# KiCad board kayboard.kicad_pcb (continued)
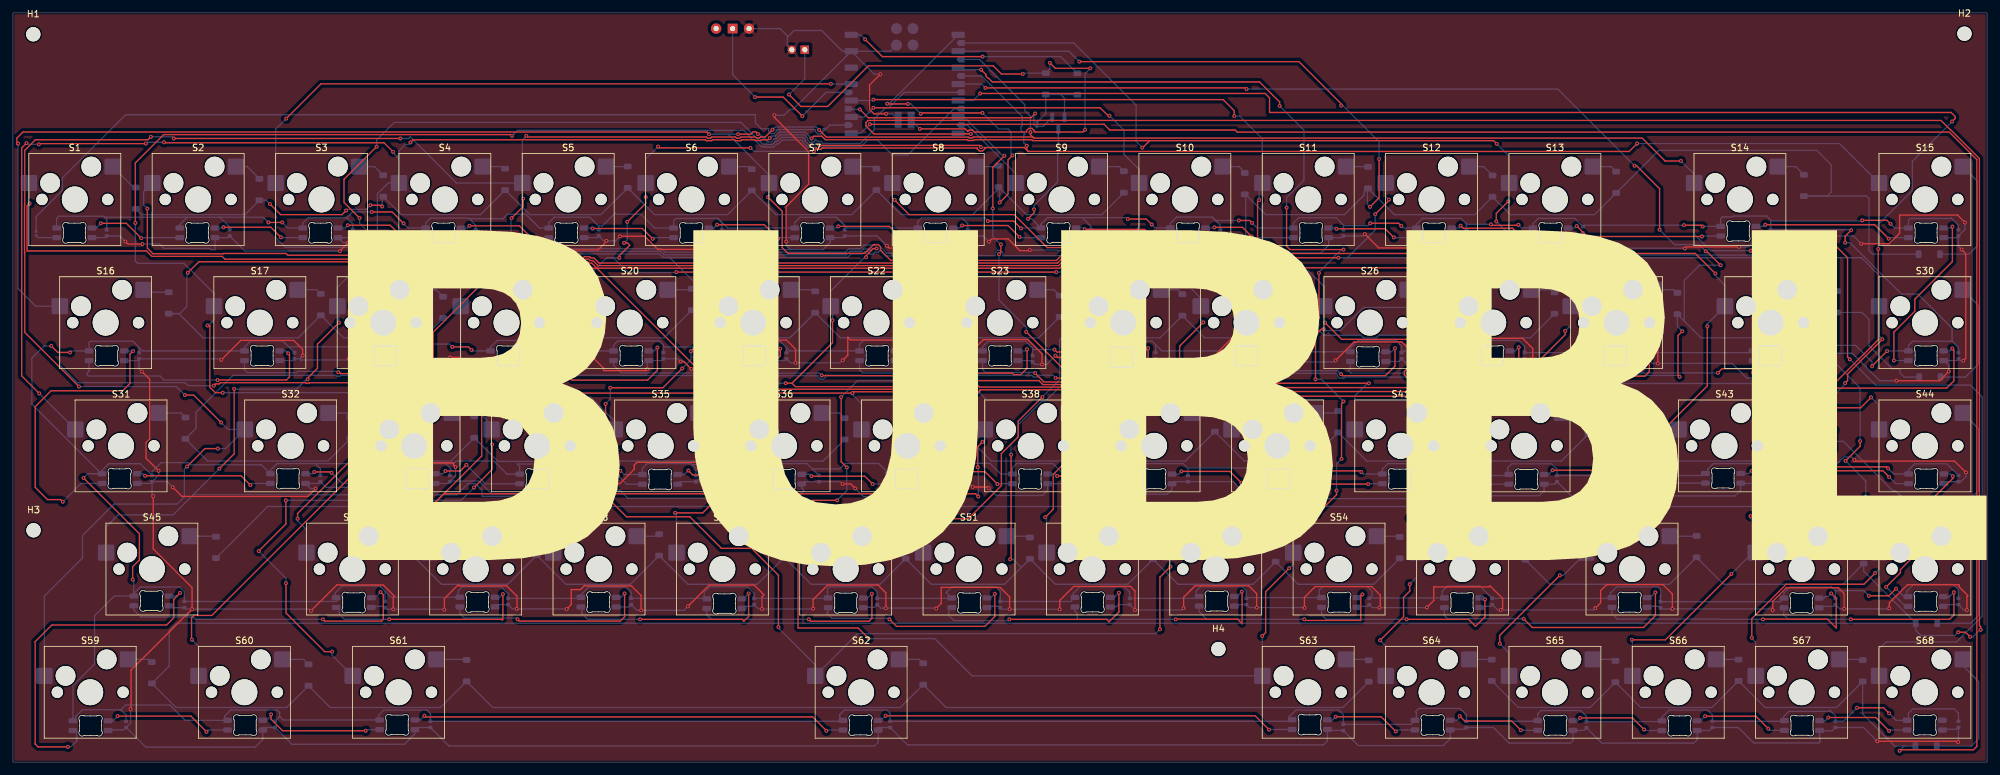
[diagram p0: board, top side]
## Routing (per net, layer and track width the routed paths; a pad name or vN(x,y) marks a point on that pad's centre or on a via; arc(x,y) is an arc through that point) (continued)
coloum 1: length 620.3
  Top w0.2: v1(2.57,86.36) 2.19,85.98 2.19,79.03 20.62,79.03 21.46,78.19 32.3,78.19 32.73,77.76 87.89,77.76 88.27,78.14 89.09,78.14 89.29,77.94 89.74,77.94 90.52,77.16 161.33,77.16 162.11,77.94 163.27,77.94 163.41,77.8 168.94,77.8 v1(172.21,81.07) 176.85,76.43 237.36,76.43 v1(238.85,74.94) ; v1(169.35,99.94) 169.14,99.94 167.92,101.16 v1(132.9,101.16) ; v1(43.96,37.63) 43.96,38.44 56.26,50.74 56.26,52.21 57.36,53.31 58.83,53.31 66.12,60.6 v1(67.21,60.6) 70.76,57.05 v1(129.66,57.05) 129.86,57.25 148.3,57.25 148.5,57.05 149,57.05 149.35,57.4 149.35,57.57 186.88,57.57 187.08,57.37 187.58,57.37 187.93,57.72 187.93,57.9 230.99,57.9 231.19,57.69 231.37,57.69 ; v1(215.71,37.67) 215.97,37.93 225.41,37.93 225.41,51.74 231.37,57.69 ; 231.37,57.69 233.51,59.84 233.47,59.88 233.47,60.38 233.82,60.73 234.32,60.73 234.36,60.69 239.75,66.08 v1(239.75,66.66) ; v1(211.16,18.83) 214.78,22.45 214.78,25.47 215.73,26.42 v1(215.73,27.51)
  Bottom w0.2: v1(238.85,74.94) 240.6,73.19 S28.1 240.6,67.5 v1(239.75,66.66) ; v1(67.21,60.6) 69.14,62.53 S19.1 ; v1(211.16,18.83) 212.02,17.97 S64.1 ; v1(172.21,81.07) 173.92,82.78 S10.1 173.92,91.64 171.58,93.98 171.58,97.71 v1(169.35,99.94) ; v1(132.9,101.16) 131.49,99.75 U1.9 ; S37.1 131.06,55.42 129.66,56.82 v1(129.66,57.05) ; v1(215.73,27.51) 216.78,28.56 S55.1 216.78,36.6 v1(215.71,37.67) ; v1(2.57,86.36) 2.47,86.46 S1.1 ; S46.1 45.33,35.92 43.96,37.29 v1(43.96,37.63)
coloum 2: length 661.6
  Top w0.2: v1(262.94,75.54) 259.84,78.64 197.73,78.64 197.67,78.58 197.33,78.58 197.27,78.64 195.9,78.64 194.06,80.48 v1(192.23,80.48) 192.23,86.65 v1(192.48,86.9) ; v1(261.69,67.38) 261.69,58.16 v1(241.26,37.73) ; v1(84.63,61.15) 81.75,58.27 v1(71.73,58.27) ; v1(170.67,76.84) 170.51,77 163.08,77 162.94,77.14 162.44,77.14 161.66,76.36 89.46,76.36 v1(88.68,77.14) 89.41,77.14 108.9,57.65 v1(148.75,57.65) ; v1(20.76,85.57) 20.76,79.46 21.63,78.59 32.46,78.59 32.51,78.64 42.17,78.64 42.45,78.36 v1(58.56,78.36) ; v1(238.92,28.87) 229.63,19.58 v1(229.63,18.31) ; v1(149.01,45.59) 149.01,48.76 v1(149.74,49.49) ; v1(72.4,55.56) 72.4,47.32 v1(63.38,38.3) 66.56,41.48 148.68,41.48 v1(149.1,41.06) ; v1(132.91,102.43) 186.91,102.43 188.63,100.71 v1(188.63,99.88)
  Bottom w0.2: v1(170.67,76.84) 188.86,76.84 192.23,80.21 v1(192.23,80.48) ; v1(262.94,75.54) 262.94,75.2 264.41,73.73 S29.1 261.69,67.76 v1(261.69,67.38) ; v1(192.48,86.9) 192.48,89.04 S11.1 192.97,96.37 189.46,99.88 v1(188.63,99.88) ; v1(149.1,41.06) 149.1,45.5 v1(149.01,45.59) ; 88.19,70.48 88.19,74.31 84.5,78.01 58.91,78.01 v1(58.56,78.36) ; 88.19,70.48 86.27,70.48 84.63,68.84 v1(84.63,61.15) ; 88.19,70.48 88.19,76.66 v1(88.68,77.14) ; S65.1 231.07,16.87 v1(229.63,18.31) ; v1(63.38,38.3) 64.38,37.3 S47.1 ; U1.10 132.77,102.29 v1(132.91,102.43) ; v1(149.74,49.49) 150.11,49.86 S38.1 150.11,56.29 v1(148.75,57.65) ; v1(238.92,28.87) 239.46,28.87 S56.1 242.98,36.01 v1(241.26,37.73) ; v1(20.76,85.57) 20.18,86.15 20.18,88.19 S2.1 ; v1(71.73,58.27) 71.73,56.23 v1(72.4,55.56)
coloum 3: length 561.7
  Top w0.2: v1(282.98,58.59) 283.36,58.97 283.36,60 v1(288.73,65.37) ; v1(162.75,65.48) 162.69,65.54 v1(162.69,76.54) ; v1(90.98,46.16) 91.53,46.71 v1(91.53,55.38) ; v1(281.34,51.32) 281.34,48.23 v1(279.59,46.48) ; v1(187.44,78.89) 191.37,78.89 192.28,77.98 v1(204.71,77.98) ; v1(250.04,18.9) 255.23,18.9 v1(265.41,29.08) ; v1(268.36,38.02) 272.69,38.02 v1(276.29,41.62) ; v1(83.11,37.75) 85.85,40.49 v1(89.65,40.49) ; v1(210.4,84.71) 212.52,86.83 v1(212.52,86.96) ; v1(126.33,104.87) 47.58,104.87 v1(42.2,99.49) ; v1(103.37,60.86) 100.38,57.87 v1(92.25,57.87) ; v1(104.7,63.53) 107.44,66.27 v1(107.44,68.26)
  Bottom w0.2: S39.1 169.16,55.93 167.27,57.82 167.09,57.82 162.53,62.38 162.53,65.26 v1(162.75,65.48) ; v1(210.4,84.71) 210.4,82.28 206.1,77.98 ; 166.34,78.31 164.57,76.54 v1(162.69,76.54) ; 166.34,78.31 167.46,78.31 167.46,78.31 167.46,78.81 167.81,79.16 168.31,79.16 168.66,78.81 168.66,78.53 168.88,78.31 170.54,78.31 170.66,78.43 171.16,78.43 171.28,78.31 186.86,78.31 v1(187.44,78.89) ; 166.34,78.31 152.89,78.31 152.89,78.78 152.54,79.13 152.04,79.13 151.69,78.78 151.69,78.31 147.07,78.31 146.6,77.84 142.06,77.84 140.96,78.93 140.17,78.93 140.08,78.85 139.8,79.13 139.76,79.13 138.39,77.76 138.07,77.76 137.56,78.27 134.81,78.27 133.96,79.13 133.64,78.81 133.14,78.81 133.13,78.82 132.84,78.52 132.47,78.52 132.42,78.57 132.39,78.57 132.04,78.92 131.54,78.92 131.19,78.57 129.44,78.57 128.91,78.04 101.32,78.04 ; v1(281.34,51.32) 281.34,56.77 282.98,58.41 v1(282.98,58.59) ; 206.1,77.98 285.5,77.98 288.22,75.26 S30.1 288.22,65.88 v1(288.73,65.37) ; 206.1,77.98 v1(204.71,77.98) ; v1(42.2,99.49) 40.57,97.86 S3.1 40.57,81.09 42.06,79.6 58.34,79.6 59.53,78.41 85.67,78.41 85.83,78.57 99.84,78.57 100.37,78.04 101.43,78.04 101.43,78.01 107.25,72.19 S21.1 107.25,68.45 v1(107.44,68.26) ; v1(126.33,104.87) 126.37,104.83 U1.11 ; v1(212.52,86.96) 212.02,87.46 S12.1 ; S66.1 250.12,18.63 250.04,18.71 v1(250.04,18.9) ; v1(91.53,55.38) 92.25,56.1 v1(92.25,57.87) ; v1(89.65,40.49) 90.73,41.57 90.73,42.08 90.98,42.33 v1(90.98,46.16) ; v1(83.11,37.75) 83.43,37.43 S48.1 ; v1(265.41,29.08) 268.71,32.38 S57.1 269.17,36.86 268.36,37.67 v1(268.36,38.02) ; v1(279.59,46.48) 279.59,44.92 v1(276.29,41.62) ; v1(104.7,63.53) 104.7,62.19 v1(103.37,60.86)
coloum 4: length 712.5
  Top w0.2: v1(20.52,95.62) 4.09,95.62 v1(3.98,95.51) ; v1(230.96,86.71) 229.1,84.85 v1(229.1,83.59) ; v1(123.34,96.42) 123.69,96.77 124.92,96.77 125.46,96.23 147.41,96.23 147.53,96.11 148.35,96.11 148.46,96.22 157.36,96.22 157.5,96.08 175.57,96.08 ; 120.32,58.58 120.85,58.05 148.3,58.05 148.5,58.25 149,58.25 149.28,57.97 v1(187.33,57.97) ; 120.32,58.58 126.58,64.84 v1(126.58,68.3) ; 120.32,58.58 v1(119.36,58.58) ; v1(280.54,62.6) 281.55,63.61 281.55,78.94 v1(281.29,79.2) ; v1(23.34,95.83) 23.41,95.76 57.31,95.76 v1(58.72,94.35) ; 175.57,96.08 228.69,96.08 v1(229.18,95.59) ; 175.57,96.08 174.5,95.01 v1(174.42,95.01) ; v1(109.68,40.88) 108.92,40.12 108.13,40.12 106.54,38.53 v1(102.28,38.53) ; v1(4.07,57) 1.35,59.72 1.35,94.96 v1(2.1,95.7) ; v1(113.16,56.45) 110.23,53.52 v1(110.23,46.13) ; v1(287.29,38.05) 286.17,39.17 v1(286.17,40.98) ; v1(283.04,46.57) 285.3,48.83 v1(285.3,49.63) ; v1(268.56,19.23) 268.56,22.17 273.88,27.49 285.88,27.49 v1(287.59,29.2) ; v1(116.89,96.48) 116.63,96.22 115.6,96.22 115.49,96.1 114.66,96.1 114.54,96.22 112.55,96.22 112.41,96.08 111.59,96.08 111.45,96.22 108.06,96.22 107.92,96.08 107.1,96.08 106.96,96.22 61.81,96.22 v1(61.39,95.8) ; v1(133.39,79.41) 133.37,79.39 132.86,79.39 131.76,78.29 v1(131.76,78.06)
  Bottom w0.2: v1(4.07,57) 4.07,56.98 S31.1 ; S4.1 59.62,94.53 60.59,95.5 61.09,95.5 v1(61.39,95.8) ; S4.1 57.94,89.53 56.29,87.88 56.29,82.22 59.7,78.81 85.5,78.81 85.66,78.97 100.01,78.97 100.54,78.44 128.74,78.44 129.27,78.97 131.02,78.97 131.38,79.32 132.2,79.32 132.38,79.14 132.46,79.14 132.73,79.41 v1(133.39,79.41) ; S4.1 59.62,93.28 58.72,94.18 v1(58.72,94.35) ; S40.1 188.21,56.85 187.33,57.73 v1(187.33,57.97) ; v1(280.54,62.6) 285.3,57.84 v1(285.3,49.63) ; v1(3.98,95.51) 2.29,95.51 v1(2.1,95.7) ; v1(131.76,78.06) 131.53,78.06 126.3,72.82 S22.1 126.58,70.2 v1(126.58,68.3) ; v1(110.23,46.13) 110.23,41.89 109.68,41.34 v1(109.68,40.88) ; S67.1 269.17,18.52 268.56,19.13 v1(268.56,19.23) ; v1(286.17,40.98) 286.17,43.44 v1(283.04,46.57) ; S49.1 102.48,38.26 102.28,38.46 v1(102.28,38.53) ; v1(229.1,83.59) 234.31,78.38 280.47,78.38 v1(281.29,79.2) ; v1(123.34,96.42) 122.37,97.39 118.31,97.39 118.31,97.37 117.72,96.78 117.19,96.78 v1(116.89,96.48) ; v1(113.16,56.45) 115.29,58.58 v1(119.36,58.58) ; v1(174.42,95.01) 173.48,95.95 173.48,101.56 163.86,111.18 U1.15 ; v1(230.96,86.71) 231.07,86.82 S13.1 231.07,93.7 v1(229.18,95.59) ; v1(20.52,95.62) 20.73,95.83 v1(23.34,95.83) ; v1(287.59,29.2) 288.22,29.83 S58.1 288.22,37.12 v1(287.29,38.05)
coloum 5: length 776.1
  Top w0.2: v1(127.3,40.47) 123.5,40.47 v1(121.19,38.16) ; v1(139.96,78.16) 139.96,78.48 140.01,78.53 140.01,78.84 140.25,79.08 141.66,79.08 v1(142.24,78.5) ; v1(10.2,58.06) 1.82,66.44 1.82,78.83 1.79,78.86 1.79,86.15 1.82,86.18 1.82,94.58 3.46,96.22 20.84,96.22 v1(21.3,96.68) ; v1(78.8,87.12) 78.8,85.89 v1(77.02,84.11) ; v1(31.64,48.47) 29.66,48.47 v1(26.88,45.69) ; v1(24.84,96.42) v1(59.84,96.42) ; 157.67,96.48 157.51,96.64 148.32,96.64 148.19,96.51 147.69,96.51 147.57,96.63 125.63,96.63 v1(124.53,97.73) ; 157.67,96.48 251.64,96.48 255.18,92.94 v1(257.62,92.94) ; 157.67,96.48 157.15,97 v1(157.15,97.38) ; v1(32.16,52.5) 27.92,56.74 v1(26.56,56.74) ; v1(268.37,79.06) 269.11,79.8 281.54,79.8 283.35,77.99 283.35,62.58 283.4,62.58 v1(283.71,62.27) ; v1(117.31,97.78) 116.17,96.64 115.46,96.64 115.32,96.5 114.83,96.5 114.69,96.64 112.41,96.64 112.25,96.48 111.75,96.48 111.59,96.64 107.92,96.64 107.76,96.48 107.26,96.48 107.1,96.64 79.47,96.64 v1(79.29,96.82) ; v1(145.07,67.74) 145.07,63.92 140.13,58.98 v1(139.07,58.98) 158.46,58.98 159.07,58.37 186.8,58.37 187,58.57 v1(209.42,58.57) ; v1(127.92,56.45) 127.92,46.43 v1(128.79,45.56)
  Bottom w0.2: v1(157.15,97.38) 157.15,99.85 156.28,100.72 156.28,101.64 149.28,108.64 U1.16 ; S5.1 78.67,96.2 v1(79.29,96.82) ; S5.1 78.67,87.25 v1(78.8,87.12) ; S5.1 68.51,89.53 61.36,96.68 61.1,96.42 v1(59.84,96.42) ; v1(124.53,97.73) 124.07,98.19 117.72,98.19 v1(117.31,97.78) ; v1(121.19,38.16) 121.53,37.82 S50.1 ; S68.1 288.22,17.48 289.31,18.57 300.18,18.57 304.15,22.54 304.15,56.45 302.31,58.29 287.69,58.29 v1(283.71,62.27) ; v1(24.84,96.42) 24.58,96.68 v1(21.3,96.68) ; v1(10.2,58.06) 25.24,58.06 v1(26.56,56.74) ; v1(77.02,84.11) 76.94,84.03 76.94,80.48 78.21,79.21 85.34,79.21 85.49,79.37 100.17,79.37 100.7,78.84 128.58,78.84 129.11,79.37 130.86,79.37 131.44,79.95 133.08,79.95 133.14,80.01 133.64,80.01 134.98,78.67 138.6,78.67 139.46,79.53 141.21,79.53 v1(142.24,78.5) ; v1(128.79,45.56) 128.79,41.96 v1(127.3,40.47) ; v1(32.16,52.5) 33.23,51.43 S32.1 32.85,48.47 v1(31.64,48.47) ; v1(145.07,67.74) 145.07,70.21 S23.1 145.35,73.98 140.8,78.53 140.33,78.53 v1(139.96,78.16) ; v1(139.07,58.98) 130.45,58.98 v1(127.92,56.45) ; v1(268.37,79.06) 262.22,79.06 259.64,81.64 S14.1 259.64,90.91 v1(257.62,92.94) ; S59.1 4.85,25.67 10.74,31.56 10.74,35.03 15.6,39.89 25.37,39.89 26.48,41 26.48,45.29 v1(26.88,45.69) ; S41.1 207.26,56.62 209.2,58.57 v1(209.42,58.57)
coloum 6: length 553
  Top w0.2: v1(89.4,75.67) 74.1,75.67 64.93,66.5 64.93,60.66 64.56,60.29 61.41,60.29 57.49,56.37 v1(53.85,56.37) ; v1(27.64,18.92) 27.58,18.98 27.58,22.32 27.93,22.67 30.71,22.67 v1(55.84,47.8) ; 156.82,94.41 249.63,94.41 v1(250.85,95.63) ; 156.82,94.41 156.58,94.65 v1(156.58,95.3) ; 156.82,94.41 156.21,95.02 150.11,95.02 150.11,94.84 149.76,94.49 149.26,94.49 148.91,94.84 148.91,94.95 125.01,94.95 124.81,94.75 124.31,94.75 124.04,95.02 124.04,94.78 v1(123.68,94.42) ; v1(224.93,55.56) 223.2,57.29 188.06,57.29 187.74,56.97 186.92,56.97 186.72,57.17 170.74,57.17 v1(170.54,56.97) ; v1(164.27,67.67) 164.27,62.09 165.49,60.87 v1(165.49,60.47) ; v1(94.4,80.28) 94.91,80.28 95.27,79.92 93.65,78.3 v1(93.65,77.97) ; v1(97.73,87.35) 97.73,86.39 v1(94.87,83.53) ; v1(158.99,56.45) 155.26,52.72 155.26,50.28 152.66,47.68 152.66,42.73 147.56,37.63 v1(140.13,37.63) ; v1(99.64,95.16) 99.84,94.96 v1(113.91,94.96) ; v1(102.45,75.76) v1(161.14,75.76)
  Bottom w0.2: v1(27.64,18.92) 28.66,17.9 S60.1 ; v1(53.85,56.37) 53.85,56.19 54.86,55.18 S33.1 54.86,48.78 v1(55.84,47.8) ; v1(250.85,95.63) 282.12,95.63 S15.1 ; v1(165.49,60.47) 165.89,60.47 166.22,60.14 ; S42.1 226.31,54.18 v1(224.93,55.56) ; v1(123.68,94.42) 114.45,94.42 v1(113.91,94.96) ; v1(164.27,67.67) 164.39,67.8 164.39,74.44 163.08,75.76 v1(161.14,75.76) ; 91.7,77.97 v1(89.4,75.67) ; 91.7,77.97 v1(93.65,77.97) ; 91.7,77.97 92.73,77.97 95,75.7 102.39,75.7 v1(102.45,75.76) ; v1(99.64,95.16) 97.72,93.24 S6.1 97.73,89.52 v1(97.73,87.35) ; v1(94.4,80.28) 94.87,80.75 v1(94.87,83.53) ; U1.17 149.6,106.1 155.88,99.82 155.88,98.39 155.68,98.19 155.68,97.69 156.28,97.09 156.12,96.93 156.12,95.76 v1(156.58,95.3) ; 166.22,60.14 169.78,56.58 170.15,56.58 v1(170.54,56.97) ; 166.22,60.14 166.22,62.86 163,66.08 162.5,66.08 161.65,65.23 161.65,59.11 v1(158.99,56.45) ; S51.1 140.58,36.87 140.13,37.32 v1(140.13,37.63)
coloum 7: length 569.6
  Top w0.2: v1(31.01,58.2) 31.31,58.5 31.34,58.47 31.84,58.47 32.03,58.66 45.22,58.66 45.28,58.6 45.77,58.6 45.83,58.66 58.33,58.66 v1(58.49,58.82) ; v1(74.02,49.11) 74.02,45.26 v1(71.2,42.44) ; v1(116.63,87.34) 118.82,85.15 118.82,79.54 119.7,78.66 131.56,78.66 132.91,80.01 133.13,80.01 133.14,80 133.14,80.01 133.64,80.01 133.99,79.66 133.99,79.16 133.98,79.16 135.58,77.56 161.16,77.56 161.98,78.38 167.88,78.38 v1(168.06,78.56) ; v1(179.47,59.04) 180.19,59.76 180.19,64.31 v1(183.87,67.99) ; v1(112,97.08) 113.96,97.08 114.33,97.45 114.73,97.45 v1(115.07,97.1) ; v1(42.15,40.47) 42.15,36.81 v1(37.96,32.62) ; v1(0.8,95.63) 0.69,95.52 0.6,95.52 0.6,96.47 1.55,97.42 107.17,97.42 v1(107.51,97.08) ; v1(222.36,56.59) 222.34,56.57 v1(174.46,56.57) 172.76,56.57 160.68,44.49 160.68,39.09 v1(159.44,37.85) ; v1(49.29,17.07) 48.15,17.07 42.18,23.04 42.18,27.64 v1(42.16,27.66)
  Bottom w0.2: v1(71.2,42.44) 69.23,40.47 v1(42.15,40.47) ; v1(58.49,58.82) 67.22,58.82 73.91,52.13 S34.1 73.91,49.22 v1(74.02,49.11) ; v1(107.51,97.08) 110.47,97.08 110.55,97 ; S43.1 251.87,51.43 246.71,56.59 v1(222.36,56.59) ; v1(42.16,27.66) 42.16,28.42 v1(37.96,32.62) ; v1(183.87,67.99) 183.44,68.42 S25.1 183.44,71.73 179.47,75.71 170.91,75.71 v1(168.06,78.56) ; 110.55,97 116.77,90.78 S7.1 116.77,87.48 v1(116.63,87.34) ; 110.55,97 110.63,97.08 v1(112,97.08) ; v1(0.8,95.63) 0.8,73.2 3.52,70.48 S16.1 7.23,61.38 9.95,58.66 26.61,58.66 27.07,58.2 v1(31.01,58.2) ; v1(115.07,97.1) 115.19,97.22 115.2,97.22 116.48,95.94 116.56,95.94 116.57,95.95 116.64,95.88 117.14,95.88 117.49,96.23 117.49,96.38 117.89,96.38 118.5,96.99 122.2,96.99 122.74,96.45 122.74,96.17 123.09,95.82 123.59,95.82 123.94,96.17 123.94,96.32 124.31,95.95 124.81,95.95 125.12,95.64 130.89,95.64 133.04,97.79 133.04,99.46 134.77,101.19 134.77,101.19 135.27,101.19 135.62,101.54 135.62,101.55 135.66,101.55 137.67,103.56 U1.18 ; S52.1 159.63,37.66 v1(159.44,37.85) ; S61.1 49.29,16.52 v1(49.29,17.07) ; v1(179.47,59.04) 176.41,59.04 174.46,57.09 v1(174.46,56.57)
coloum 8: length 568.5
  Top w0.2: v1(77.07,96.82) 76.87,97.02 23.28,97.02 18.9,92.64 v1(18.9,83.36) ; v1(92.03,40.66) 94.76,37.93 104.54,37.93 109.42,33.05 114.07,33.05 118.23,28.89 v1(118.23,20.87) ; v1(178.78,30.22) 177.15,28.59 v1(177.15,20.53) ; v1(136.18,86.92) 136.18,86.89 138.43,84.64 154.65,84.64 159.74,79.55 169.46,79.55 170.14,80.23 v1(170.22,80.23) ; v1(280.05,54.78) 285.37,54.78 v1(286.98,56.39) ; v1(93.16,48.32) 92.22,47.38 v1(92.22,46.81) ; v1(30.05,67.5) 30.4,67.5 30.41,67.49 30.41,57.95 31.25,57.11 v1(32.41,57.11) ; v1(188.58,79.55) 189.79,79.55 190.05,79.29 191.54,79.29 192.02,78.81 192.35,78.81 v1(192.58,78.58) ; v1(202.64,67.94) 205.22,65.36 216.09,65.36 216.2,65.25 216.39,65.25 216.87,64.77 216.87,61.8 215.77,60.7 215.75,60.73 215.25,60.73 214.9,60.38 214.9,59.88 216.25,58.53 v1(230.37,58.53) ; v1(70.41,56.56) 64.55,56.56 v1(64,57.11)
  Bottom w0.2: v1(70.41,56.56) 72.01,54.96 72.65,54.96 74.13,56.44 89.2,56.44 92.96,52.68 S35.1 92.96,48.52 v1(93.16,48.32) ; U1.19 145.34,101.02 138.19,93.87 135.82,93.87 ; v1(177.15,20.53) 176.48,19.86 130.44,19.86 S62.1 123.91,15.05 118.45,20.51 118.45,20.65 v1(118.23,20.87) ; v1(30.05,67.5) 30.17,67.5 31.05,68.38 S17.1 31.05,72.47 26.41,77.11 19.24,77.11 18.9,77.45 v1(18.9,83.36) ; v1(170.22,80.23) 171.74,78.71 186.69,78.71 186.84,78.86 186.84,79.14 187.19,79.49 187.69,79.49 188.04,79.14 188.04,79.01 v1(188.58,79.55) ; 135.82,93.87 133.45,96.24 132.06,96.24 131.06,95.24 125.16,95.24 125.16,95.1 124.81,94.75 124.31,94.75 123.98,95.08 123.92,95.02 122.76,95.02 121.94,95.84 121.94,96.12 121.87,96.19 118.83,96.19 118.22,95.58 117.97,95.58 117.47,95.08 116.31,95.08 116.25,95.14 115.62,95.14 114.52,96.24 114.29,96.24 112.85,97.68 77.93,97.68 v1(77.07,96.82) ; 135.82,93.87 S8.1 135.82,87.28 v1(136.18,86.92) ; v1(280.05,54.78) 276.3,58.53 v1(230.37,58.53) ; v1(64,57.11) v1(32.41,57.11) ; v1(202.64,67.94) 202.5,68.08 S26.1 202.5,73.53 200.13,75.9 193.51,75.9 191.68,77.73 191.68,78.23 192.26,78.81 192.35,78.81 v1(192.58,78.58) ; v1(92.22,46.81) 92.22,40.85 v1(92.03,40.66) ; v1(178.78,30.22) 178.68,30.32 S53.1 ; S44.1 288.22,55.15 v1(286.98,56.39)
coloum 9: length 495.1
  Top w0.2: v1(201.18,59.17) 201.18,66.03 202.07,66.92 v1(202.44,66.92) ; v1(111.56,48.44) 110.83,47.71 v1(110.83,47) ; v1(50.35,67.94) 47.03,64.62 47.03,60.88 45.53,59.38 v1(45.53,59.2) ; v1(56.25,80.6) 56.25,79.55 v1(55.7,79) ; v1(53.54,84.11) 51.13,86.52 51.13,90.12 v1(56.17,95.16) ; v1(34.17,57.71) 34.17,47.66 v1(31.88,45.37) ; v1(197.12,29.97) 193.48,26.33 193.48,20.03 v1(192.95,19.5) ; v1(204.43,41.98) 204.43,41.34 v1(201.42,38.33) ; v1(205.51,55.76) 205.2,55.45 v1(205.2,46.87) ; v1(132.15,19.11) 130.53,20.73 121.26,20.73 121.26,31.27 112.05,40.48 v1(112.05,40.69) ; v1(217.29,68.19) 218.98,66.5 220.53,66.5 220.53,67.54 v1(221.11,68.12) ; v1(149.51,95.09) 149.25,95.35 v1(124.56,95.35) ; v1(89.75,42.46) 89.87,42.34 92.68,42.34 v1(92.94,42.08)
  Bottom w0.2: S36.1 112.01,48.89 v1(111.56,48.44) ; v1(221.11,68.12) 221.55,68.56 S27.1 ; v1(56.17,95.16) 56.17,96.2 58.87,98.9 112.43,98.9 115.79,95.54 116.42,95.54 116.48,95.48 117.3,95.48 117.8,95.98 118.06,95.98 118.67,96.59 122.04,96.59 122.34,96.29 122.34,96.01 122.93,95.42 123.75,95.42 124.01,95.68 124.15,95.55 124.36,95.55 v1(124.56,95.35) ; v1(204.43,41.98) 204.43,46.1 v1(205.2,46.87) ; v1(112.05,40.69) 110.54,40.69 110.13,40.28 107.93,40.28 107.43,40.78 ; v1(197.12,29.97) 197.73,30.58 S54.1 197.73,34.64 v1(201.42,38.33) ; v1(205.51,55.76) 202.08,59.19 201.19,59.19 201.18,59.18 v1(201.18,59.17) ; S45.1 14.38,36.36 16.23,38.21 24.72,38.21 27.83,41.32 ; 107.43,40.78 107.43,44.18 110.26,47 v1(110.83,47) ; 107.43,40.78 94.99,40.78 93.69,42.08 v1(92.94,42.08) ; U1.20 147.42,98.48 150.89,95.01 ; v1(217.29,68.19) 215.19,70.29 208.61,70.29 205.03,66.72 202.64,66.72 v1(202.44,66.92) ; 150.89,95.01 149.59,95.01 v1(149.51,95.09) ; 150.89,95.01 154.87,91.03 S9.1 ; v1(45.53,59.2) 45.35,59.2 43.8,57.65 34.15,57.65 34.17,57.67 v1(34.17,57.71) ; v1(55.7,79) 50.1,73.39 S18.1 50.35,70.23 v1(50.35,67.94) ; v1(53.54,84.11) 53.54,83.31 v1(56.25,80.6) ; v1(132.15,19.11) 132.18,19.08 142.38,19.08 148.13,13.33 S63.1 192.97,19.48 v1(192.95,19.5) ; v1(89.75,42.46) 88.38,41.09 72.46,41.09 72.46,42.03 71.45,43.04 70.27,43.04 68.56,41.32 27.83,41.32 ; v1(31.88,45.37) 27.83,41.32
LED: length 3.3
  Bottom w0.2: 6.75,81.08 3.9,81.08 R2.2
row 1: length 226.3
  Top w0.2: v1(140.2,100.24) 140.33,100.37 v1(149.74,100.37) ; v1(135.02,101.79) 135.05,101.76 v1(138.21,101.76) ; v1(51.45,85.27) 50.82,84.64 41.34,84.64 v1(39.7,86.28) ; v1(152.4,86.52) 153.69,87.81 153.69,93.12 v1(154.38,93.81) ; v1(57.03,85.9) 56.84,86.09 v1(55.21,86.09)
  Bottom w0.2: v1(140.2,100.24) 138.68,101.76 v1(138.21,101.76) ; v1(57.03,85.9) 57.03,87.27 D3.1 59.98,84.64 72.21,84.64 D4.1 79.83,84.64 90.81,84.64 D5.1 99.09,84.64 110.38,84.64 D6.1 117.86,84.64 129.55,84.64 D7.1 137.17,84.64 148.21,84.64 152.21,88.64 D8.1 ; D9.1 168.17,84.64 156.53,84.64 152.41,88.76 152.41,86.53 v1(152.4,86.52) ; v1(135.02,101.79) 135.18,101.95 135.49,101.95 U1.1 ; v1(51.45,85.27) 51.64,85.46 54.58,85.46 v1(55.21,86.09) ; v1(154.38,93.81) 154.17,94.02 154.17,97.42 153.69,97.9 152.21,97.9 v1(149.74,100.37) ; v1(39.7,86.28) 39.11,86.87 D2.1 35.84,84.64 19.86,84.64 D1.1
row 2: length 452.9
  Top w0.2: v1(27.01,75.66) 28.71,77.36 88.08,77.36 88.08,77.39 88.43,77.74 88.93,77.74 89.13,77.54 89.57,77.54 90.35,76.76 161.5,76.76 162.28,77.54 163.1,77.54 163.24,77.4 170.38,77.4 170.42,77.44 170.52,77.44 v1(170.91,77.83) ; v1(211,93.24) 211,87.25 v1(209.6,85.85) ; v1(164.72,108.3) 198.63,108.3 205.15,101.78 v1(205.15,101.5)
  Bottom w0.2: v1(170.91,77.83) 188.36,77.83 190.41,79.88 190.41,87.74 193.51,84.64 205.65,84.64 208.68,87.67 208.68,88.12 209.19,88.63 209.64,88.63 ; D15.1 287.22,78.53 286.66,79.09 286.66,87.14 286.29,87.51 D14.1 280.21,87.51 280.83,88.13 280.83,92.34 278.59,94.58 254.2,94.58 D13.1 244.26,84.64 231.28,84.64 D12.1 225.76,84.64 213.36,84.64 209.64,88.36 209.64,88.63 ; v1(205.15,101.5) 205.43,101.5 211,95.93 v1(211,93.24) ; 209.64,88.63 209.2,88.19 209.2,86.25 v1(209.6,85.85) ; v1(164.72,108.3) 163.11,109.91 U1.2 ; D18.1 63.37,65.59 51.05,65.59 D17.1 44.05,65.59 29.35,65.59 25.6,69.34 D16.1 25.75,69.34 26.86,70.45 26.86,75.51 v1(27.01,75.66)
row 3: length 279.9
  Top w0.2: v1(196.71,85.73) 196.71,79.77 197.24,79.24 v1(205.51,79.24) ; v1(201.71,75.62) 201.71,68.65 v1(199.9,66.84) ; v1(149.54,107.05) 150.28,106.31 150.28,106.05 150.62,105.71 150.71,105.71 151.26,105.16 192.54,105.16 195.64,102.06 v1(195.64,101.45)
  Bottom w0.2: v1(205.51,79.24) 205.21,79.24 204.55,78.58 204.46,78.58 204.11,78.23 204.11,78.14 201.71,75.74 v1(201.71,75.62) ; U1.3 146.61,107.37 146.93,107.05 v1(149.54,107.05) ; v1(196.71,85.73) 196.71,87.28 199.39,89.96 199.39,97.7 v1(195.64,101.45) ; D19.1 88.75,65.59 100.56,65.59 D20.1 109.12,65.59 120,65.59 D21.1 127.8,65.59 139.56,65.59 D22.1 145.84,65.59 158.42,65.59 D23.1 164.92,65.59 177.17,65.59 D24.1 184.07,65.59 196.1,65.59 199.85,69.33 200.93,68.25 200.93,67.55 202.49,65.99 208.21,65.99 208.61,65.59 210.55,65.59 210.95,65.99 216.4,65.99 D26.1 222.64,65.59 234.37,65.59 D27.1 ; D25.1 199.77,66.97 v1(199.9,66.84)
row 4: length 559.5
  Top w0.2: v1(257.41,59.58) 257.17,59.82 257.17,65.95 v1(257.83,66.61) ; v1(190.53,104.06) 190.35,104.24 v1(150.2,104.24) ; v1(174.23,59.53) 173.66,59.53 173.49,59.36 161.06,59.36 v1(161.05,59.37) ; v1(261.45,78.98) 261.59,78.98 v1(263.75,76.82) ; v1(254.32,82.32) 254.32,88.66 250.77,92.21 v1(250.45,92.21)
  Bottom w0.2: v1(190.53,104.06) 238.6,104.06 v1(250.45,92.21) ; v1(261.45,78.98) 260.42,80.01 256.63,80.01 v1(254.32,82.32) ; v1(150.2,104.24) 149.61,104.83 U1.4 ; v1(263.75,76.82) 260.48,76.82 258.13,74.47 258.13,68.19 ; 258.13,68.19 D28.1 257.07,67.37 v1(257.83,66.61) ; 258.13,68.19 260.73,65.59 277.79,65.59 D29.1 285.58,69.52 286.66,68.44 286.66,64.38 290.25,60.79 291.29,60.79 291.46,60.62 291.46,60.16 292.09,59.53 D30.1 ; v1(174.23,59.53) 174.43,59.73 183.55,59.73 183.55,59.68 183.9,59.33 184.4,59.33 184.75,59.68 184.75,59.86 188.05,59.86 188.3,60.11 204.42,60.11 204.53,60 204.53,59.72 204.88,59.37 205.38,59.37 205.39,59.38 205.56,59.38 205.71,59.53 215.75,59.53 216.08,59.86 225.45,59.86 225.58,59.73 233.62,59.73 233.82,59.53 234.32,59.53 234.65,59.86 245.84,59.86 245.92,59.78 257.15,59.78 257.35,59.58 v1(257.41,59.58) ; D36.1 125.12,46.54 112.14,46.54 D35.1 106.4,46.54 93.55,46.54 D34.1 87.18,46.49 74.9,46.49 D33.1 67.65,46.54 55.62,46.54 D32.1 48.64,46.54 30.08,46.54 D31.1 28.29,51.63 28.29,54.09 34,59.8 49.86,59.8 50,59.66 50.5,59.66 50.64,59.8 55.34,59.8 55.54,59.6 68.6,59.6 68.67,59.53 69.17,59.53 69.45,59.81 74.26,59.81 74.32,59.75 84.83,59.75 85.03,59.55 85.53,59.55 85.79,59.81 93.74,59.81 93.78,59.77 107.4,59.77 107.64,59.53 108.14,59.53 108.42,59.81 112.44,59.81 112.52,59.73 124.31,59.73 124.31,59.53 124.66,59.18 125.16,59.18 125.51,59.53 125.51,59.81 131.01,59.81 131.08,59.74 145.95,59.74 146.15,59.54 146.65,59.54 146.92,59.81 157.35,59.81 157.63,59.53 158.13,59.53 158.41,59.81 160.61,59.81 v1(161.05,59.37)